# Altium PCB MD070B.PcbDoc (part 2 of 2) (continued)
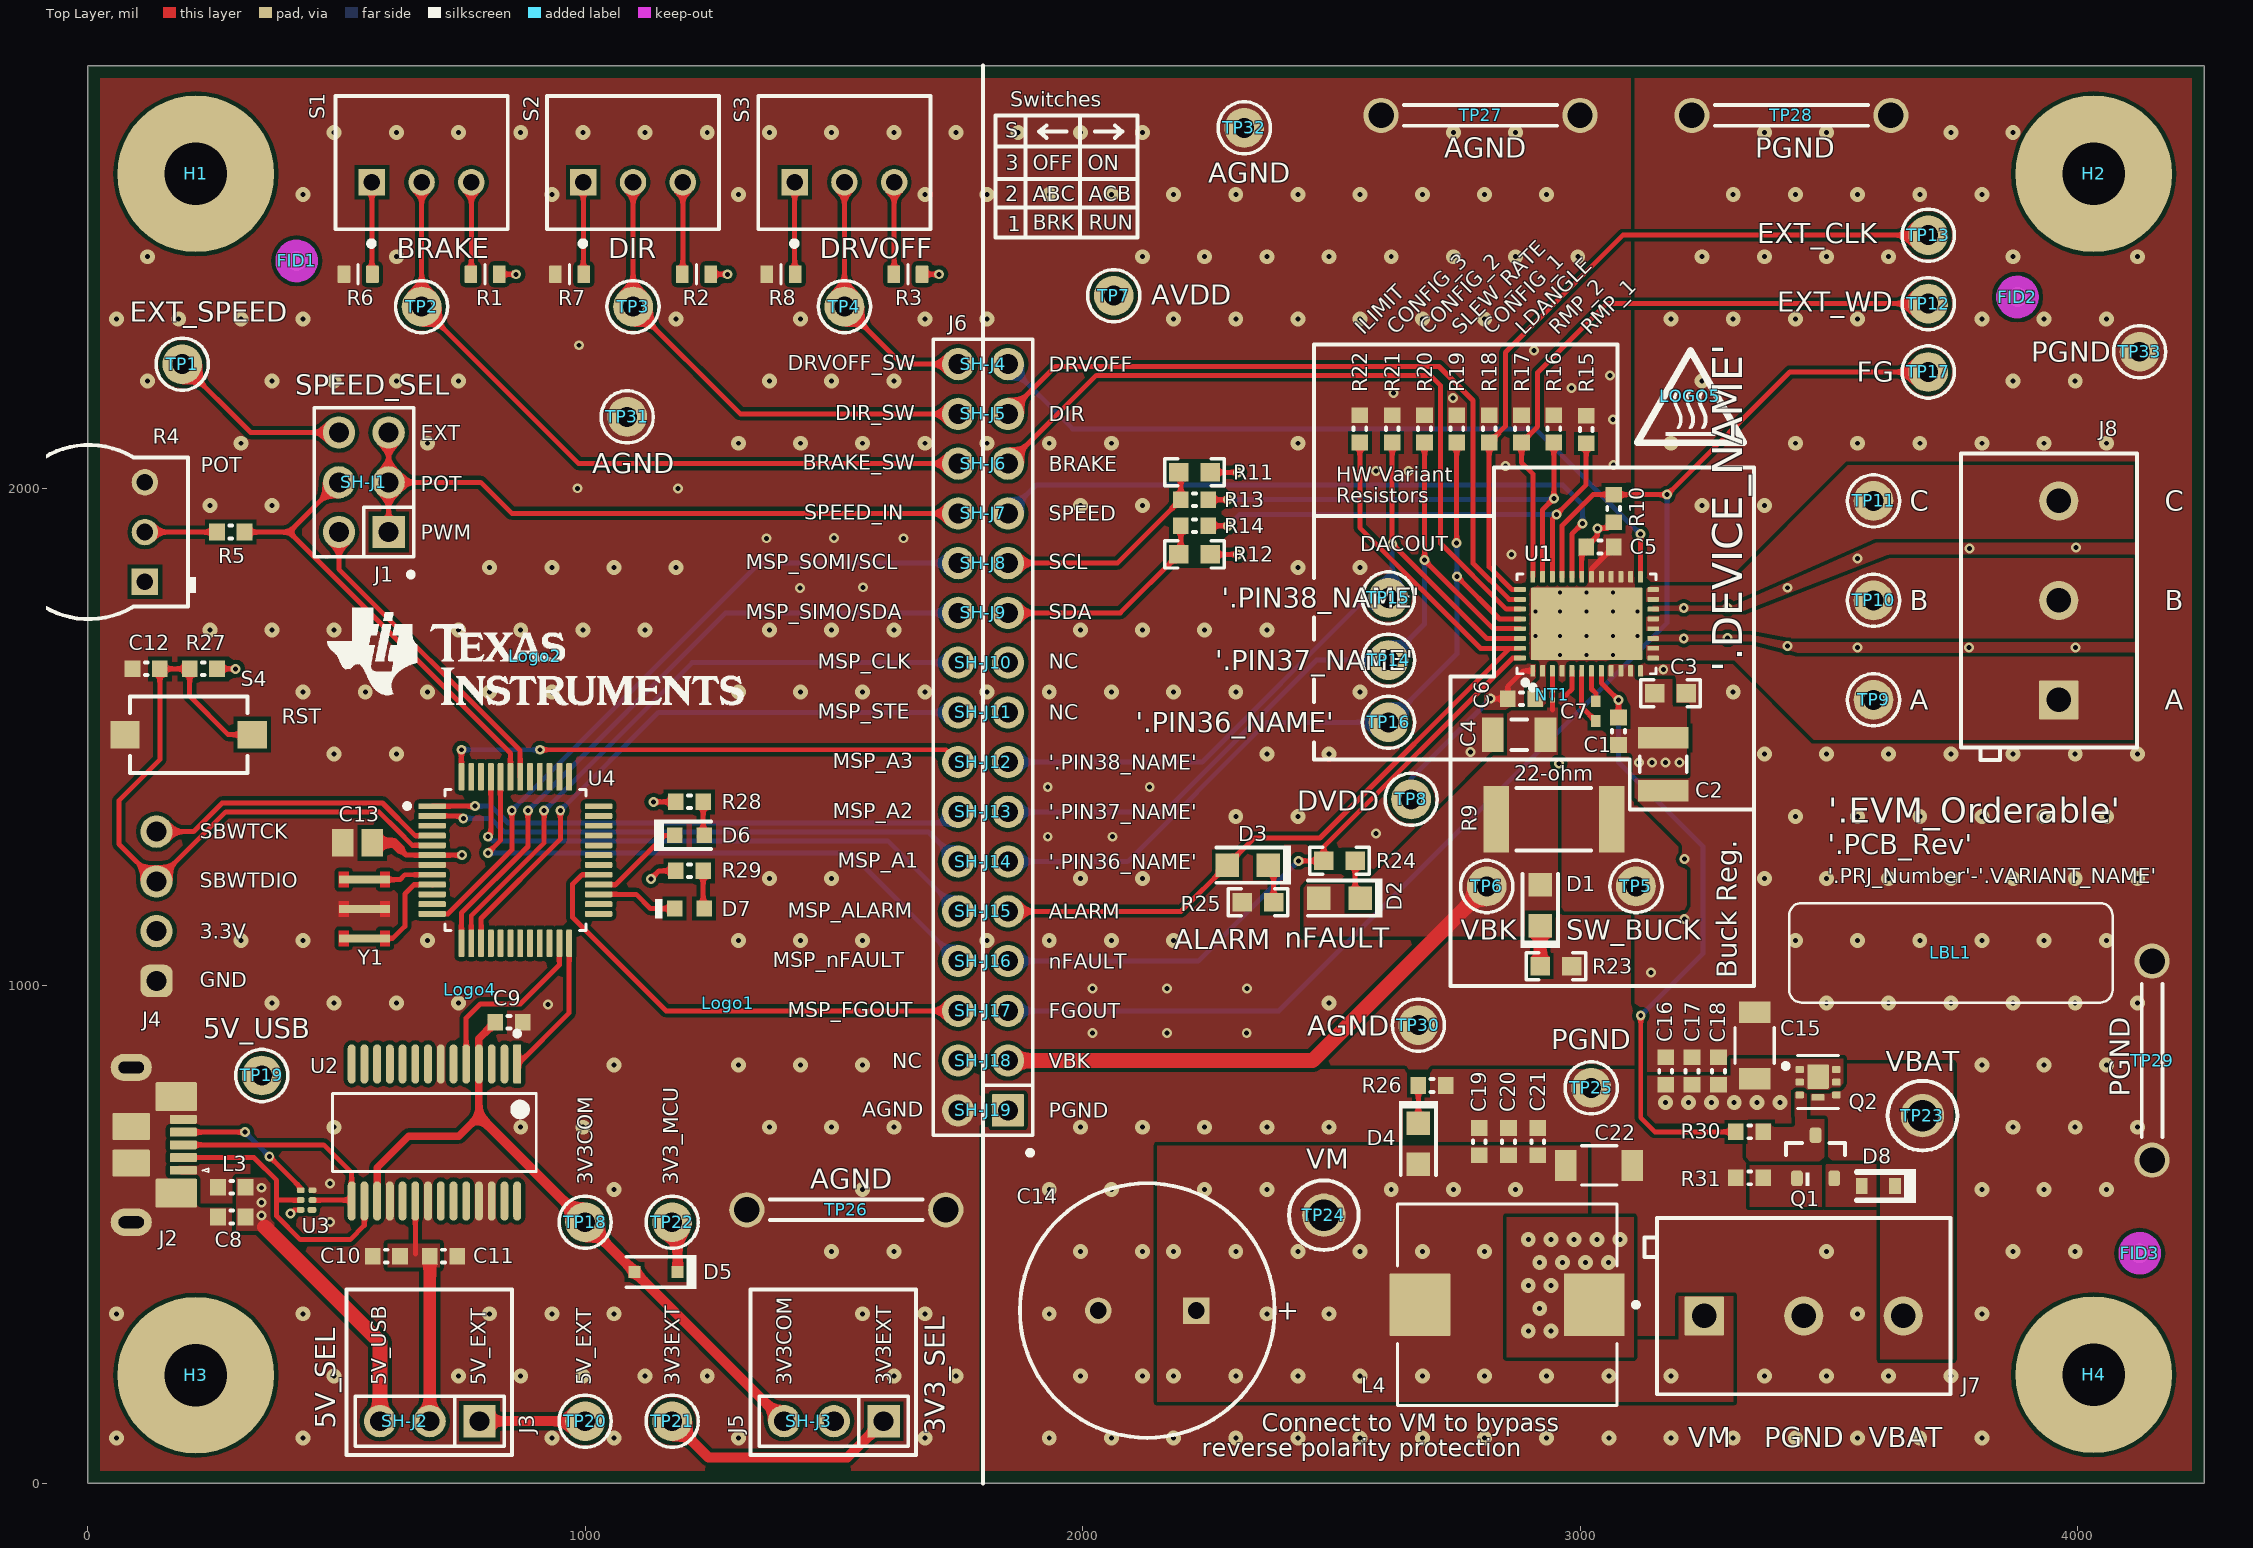
[diagram p0: Top Layer view]
## Polygon pours and split planes (outlines as drawn) (continued)
VBAT on Top Layer "TOP_LAYER_VBAT_P235" (solid, remove dead copper, pour order 235): 3749.99,249.14 3603.46,249.14 3603.46,639.95 3459.35,639.94 3459.34,843.72 3749.99,843.72
NetC15_1 on Top Layer "TOP_LAYER_NETC15_1_P217" (solid, remove dead copper, pour order 217): 3107.8,535.39 2852.5,535.39 2852.5,253.93 3107.8,253.93
VM on Top Layer "TOP_LAYER_VM_P219" (solid, remove dead copper, pour order 219): 3015.96,679.14 2150,679.14 2150,164.14 2888.46,164.14 3308.46,164.14 3308.46,289.14 3308.46,376.64 3198.46,376.64 3198.46,289.14 3015.96,289.14
NetD8_2 on Top Layer "TOP_LAYER_NETD8_2_P213" (solid, remove dead copper, pour order 213): 3595.96,641.64 3487.66,641.64 3485.96,639.94 3485.96,556.64 3595.96,556.64
NetQ1_3 on Top Layer "TOP_LAYER_NETQ1_3_P211" (solid, remove dead copper, pour order 211): 3491.05,639.95 3334.15,639.95 3334.15,728.37 3337.42,731.64 3427.95,731.64 3427.95,792.97 3455.52,792.97 3455.52,733.23 3453.93,731.64 3491.05,731.64
NetC15_1 on Top Layer "TOP_LAYER_NETC15_1_P209" (solid, remove dead copper, pour order 209): 3528.88,791.21 3424.06,791.21 3424.06,735.79 3424.89,734.96 3424.89,724.14 3133.88,724.14 3133.46,723.73 3133.46,819.14 3303.21,819.14 3303.46,819.39 3303.46,854.14 3528.88,854.14
NetQ1_1 on Top Layer "TOP_LAYER_NETQ1_1_P207" (solid, remove dead copper, pour order 207): 3485.96,556.64 3340.96,556.64 3340.96,639.94 3485.96,639.94
NetJ2_1 on Top Layer "TOP_LAYER_NETJ2_1_P205" (solid, remove dead copper, pour order 205): 327.14,563.32 176.94,563.32 177.14,645.59 327.14,645.59
5V_USB on Top Layer "TOP_LAYER_5V_USB_P203" (solid, remove dead copper, pour order 203): 374.78,613.98 299.11,613.98 299.11,508.2 374.78,508.2
AGND on Top Layer "TOP_LAYER_AGND_P247" (solid, remove dead copper, pour order 247): 3110,832.5 1800,832.5 1800,0 0,0 0,2850 3110,2850
PGND on Top Layer "TOP_LAYER_PGND_P245" (solid, remove dead copper, pour order 245): 1800,0 4255,0 4255,2850 3110,2850 3110,832.5 1800,832.5
VM on Power "POWER_VM_P253" (solid, remove dead copper, pour order 253): 2150,200 3300,200 3300,1475 3050,1475 3050,1125 2600,675 2150,675
AVDD on Power "POWER_AVDD_P261" (solid, remove dead copper, pour order 261): 2052.5,2470 2125,2397.5 2125,2275 2425,1975 3075,1975 3075,1887.5 2412.5,1887.5 2350,1825 2275,1825 2275,2000 1880,2395 1000,2395 900,2295 900,2000 675,1775 75,1775 75,1850 625,1850 825,2050 825,2420.3 874.7,2470 1930,2470
AGND on Power "POWER_AGND_P263" (solid, remove dead copper, pour order 263): 0,2850 4255,2850 4255,0 0,0
3V3_MCU on Power "POWER_3V3_MCU_P259" (solid, remove dead copper, pour order 259): 1225,1182.5 1225,537.5 1550,212.5 1550,52.5 1450,52.5 1450,162.5 1125.19,487.31 1125,1125 1075,1175 1057.5,1192.5 372.5,1192.5 235,1055 52.5,1055 52.5,1162.5 200,1162.5 257.5,1220 257.5,1657.5 337.5,1657.5 337.5,1340 1075,1340 1075,1400 1200,1400 1200,1207.5
5V_USB on Power "POWER_5V_USB_P251" (solid, remove dead copper, pour order 251): 437.5,622.5 302.5,622.5 302.5,492.5 437.5,492.5
5V_USB on Bottom Layer "BOTTOM_LAYER_5V_USB_P265" (solid, remove dead copper, pour order 265): 290,490 440,490 440,875 290,875
SW_BUCK on Bottom Layer "BOTTOM_LAYER_SW_BUCK_P269" (solid, remove dead copper, pour order 269): 3100.58,1412.5 3175,1338.08 3175,1100 2960,1100 2960,1412.5
VBK on Bottom Layer "BOTTOM_LAYER_VBK_P267" (solid, remove dead copper, pour order 267): 2871.92,1412.5 2750,1290.58 2750,1100 2960,1100 2960,1412.5
NetC15_1 on Bottom Layer "BOTTOM_LAYER_NETC15_1_P271" (solid, pour order 271): 3133.72,819.39 3133.46,536.64 2852.13,536.64 2852.13,253.69 3170.74,253.69 3170.74,392.5 3425.96,392.5 3425.96,819.39
PGND on Bottom Layer "BOTTOM_LAYER_PGND_P273" (solid, remove dead copper, pour order 273): 1800,0 1800,832.5 3110,832.5 3110,2850 4255,2850 4255,0
AGND on Bottom Layer "BOTTOM_LAYER_AGND_P281" (solid, remove dead copper, pour order 281): 1800,0 1800,832.5 3110,832.5 3110,2850 0,2850 0,0
AGND on Ground "GROUND_AGND_P249" (solid, remove dead copper, pour order 249): 0,2850 4255,2850 4255,0 0,0 0,1695

## Keep-outs
Keep-Out Layer:
  text ".Layer_Name" at 577,-858.49 h60

## Other copper
Top Layer:
  text ".Layer_Name" at 577,-858.49 h60
Bottom Layer:
  text ".Layer_Name" at 577,-858.49 h60

## Silkscreen, mask and mechanical layers (free items; w line width, h text height)
Top Overlay:
  lines w8: 1800,0 1800,2850 ; 1825,2622.5 2110,2622.5 ; 1825,2687.5 2110,2687.5 ; 1826.82,2565.19 2110,2565 ; 1885,2505.38 1885,2749.91 ; 1927.5,2705 1912.5,2717.5 ; 1927.5,2730 1912.5,2717.5 ; 1967.5,2717.5 1912.5,2717.5 ; 1995,2505 1995,2750 ; 2025,2717.5 2080,2717.5 ; 2065,2705 2080,2717.5 ; 2065,2730 2080,2717.5 ; 2465,1489 2465,1455 2747.5,1455 3100,1455 3100,1355 3350,1355 ; 2465,1571 2465,1616 ; 2465,1696 2465,1741 ; 2465,1820 2465,1945 ; 2827.5,1945 2465,1945 ; 2975,2042.5 3350,2042.5 3350,1355 ; 2465,1945 2465,2290 3075,2290 3075,2042.5 2827.5,2042.5 2827.5,1622.5 2740,1622.5 2740,1455 2740,1000 3350,1000 3350,1355 ; 520,57.5 852.5,57.5 852.5,390 520,390 520,57.5 ; 1332.5,57.5 1332.5,390 1665,390 1665,57.5 1332.5,57.5 ; 1825,2505 2110,2505 2110,2750 1825,2750 1825,2505
  text "Switches" at 1855,2767.5 h30
  text "S" at 1845,2705 h30
  text "3" at 1845.12,2640.08 h30
  text "OFF" at 1900,2640.08 h30
  text "ON" at 2010,2640.08 h30
  text "2" at 1845,2577.58 h30
  text "ABC" at 1900,2577.58 h30
  text "ACB" at 2012.5,2577.58 h30
  text "BRK" at 1900,2520 h30
  text "RUN" at 2012.5,2520 h30
  text "1" at 1850,2517.5 h30
  text "BRAKE" at 621.27,2463.2 h40
  text "DIR" at 1046.27,2463.2 h40
  text "DRVOFF" at 1471.27,2463.2 h40
  text "ILIMIT" at 2565,2307.5 h30 r45
  text "CONFIG_3" at 2630,2307.5 h30 r45
  text "CONFIG_2" at 2695,2307.5 h30 r45
  text "SLEW_RATE" at 2760,2307.5 h30 r45
  text "CONFIG_1" at 2822.5,2307.5 h30 r45
  text "LDANGLE" at 2887.5,2307.5 h30 r45
  text "RMP_2" at 2955,2307.5 h30 r45
  text "RMP_1" at 3020,2307.5 h30 r45
  text "DRVOFF_SW" at 1407.5,2237.5 h30
  text "DRVOFF" at 1932.5,2235 h30
  text "SPEED_SEL" at 417.5,2188.5 h40
  text "DIR_SW" at 1502.5,2137.5 h30
  text "DIR" at 1932.5,2135 h30
  text "EXT" at 670,2097.5 h30
  text "BRAKE_SW" at 1437.5,2037.5 h30
  text "BRAKE" at 1932.5,2035 h30
  text "POT" at 227.5,2032.5 h30
  text "HW Variant" at 2510,2013.5 h30
  text "POT" at 670,1995 h30
  text "Resistors" at 2510,1971 h30
  text "C" at 3662.5,1955 h40
  text "C" at 4175,1955 h40
  text "SPEED_IN" at 1440,1937.5 h30
  text "SPEED" at 1932.5,1935 h30
  text "PWM" at 670,1897.5 h30
  text "DACOUT" at 2558.5,1874 h30
  text "MSP_SOMI/SCL" at 1322.5,1837.5 h30
  text "SCL" at 1932.5,1837.44 h30
  text "'.PIN38_NAME'" at 2279.75,1760.01 h40
  text "B" at 3662.5,1755 h40
  text "B" at 4175,1755 h40
  text "MSP_SIMO/SDA" at 1322.5,1737.5 h30
  text "SDA" at 1932.5,1737.69 h30
  text "MSP_CLK" at 1467.5,1637.5 h30
  text "NC" at 1932.5,1637.5 h30
  text "'.PIN37_NAME'" at 2266.42,1634.51 h40
  text "'.DEVICE_NAME'" at 3326.12,1630.86 h60 r90
  text "A" at 3662.5,1555 h40
  text "A" at 4175,1555 h40
  text "MSP_STE" at 1467.5,1537.5 h30
  text "NC" at 1932.5,1535 h30
  text "RST" at 390,1527.5 h30
  text "'.PIN36_NAME'" at 2106.47,1510.01 h40
  text "MSP_A3" at 1497.5,1437.5 h30
  text "'.PIN38_NAME'" at 1932.5,1435 h30
  text "22-ohm" at 2867.5,1412.5 h30
  text "MSP_A2" at 1497.5,1337.5 h30
  text "'.PIN37_NAME'" at 1932.5,1335 h30
  text "'.EVM_Orderable'" at 3499.08,1328.36 h50
  text "SBWTCK" at 225,1296.06 h30
  text "'.PCB_Rev'" at 3498.47,1264.64 h40
  text "MSP_A1" at 1507.5,1237.5 h30
  text "'.PIN36_NAME'" at 1932.5,1235 h30
  text "'.PRJ_Number'-'.VARIANT_NAME'" at 3498.47,1206.25 h30
  text "SBWTDIO" at 225,1197.5 h30
  text "MSP_ALARM" at 1407.5,1137.5 h30
  text "ALARM" at 1932.5,1135 h30
  text "3.3V" at 225,1095 h30
  text "nFAULT" at 2406.66,1076.5 h40
  text "ALARM" at 2184.04,1073.6 h40
  text "MSP_nFAULT" at 1377.5,1037.5 h30
  text "nFAULT" at 1932.5,1035 h30
  text "Buck Reg." at 3315,1015 h40 r90
  text "GND" at 225,997.5 h30
  text "MSP_FGOUT" at 1407.5,937.5 h30
  text "FGOUT" at 1932.5,935 h30
  text "NC" at 1617.5,835 h30
  text "VBK" at 1932.5,835 h30
  text "AGND" at 1557.5,737.5 h30
  text "PGND" at 1932.5,735 h30
  text "3V3COM" at 1015,600 h30 r90
  text "3V3_MCU" at 1187.5,600 h30 r90
  text "5V_USB" at 600,197.5 h30 r90
  text "5V_EXT" at 800,197.5 h30 r90
  text "5V_EXT" at 1012.5,197.5 h30 r90
  text "3V3EXT" at 1190,197.5 h30 r90
  text "3V3COM" at 1415,197.5 h30 r90
  text "3V3EXT" at 1615,197.5 h30 r90
  text "5V_SEL" at 497.5,110 h40 r90
  text "Connect to VM to bypass" at 2360,105 h35
  text "3V3_SEL" at 1722.5,97.5 h40 r90
  text "VM" at 3217.5,72.5 h40
  text "PGND" at 3370,72.5 h40
  text "VBAT" at 3580,72.5 h40
  text "reverse polarity protection" at 2240,55 h35
  text ".Layer_Name" at 577,-858.49 h30
Bottom Overlay:
  lines w8: 2747.5,1050 3175,1050 3175,1455 2747.5,1455 2747.5,1050
  text "C" at 3690,1955 h40
  text "C" at 4075,1955 h40
  text "B" at 3690,1755 h40
  text "B" at 4075,1755 h40
  text "A" at 3690,1555 h40
  text "A" at 4075,1555 h40
  text "Populate only L1, L2, or" at 3447,1536 h30
  text "R9 (top) for Buck Regulator" at 3447,1478.5 h30
  text "47uH" at 3017.5,1410 h30
  text "Buck Reg." at 3210,1085 h40 r270
  text "22uH" at 3017.5,1067.5 h30
  text "VM" at 3285,220 h40
  text "PGND" at 3517.5,220 h40
  text "VBAT" at 3722.5,220 h40
  text ".Layer_Name" at 577,-858.49 h60
Top Paste:
  text ".Layer_Name" at 577,-858.49 h60
Bottom Paste:
  text ".Layer_Name" at 577,-858.49 h60
Top Solder:
  text ".Layer_Name" at 577,-858.49 h60
  text ".Layer_Name" at 577,-858.49 h60
Bottom Solder:
  text ".Layer_Name" at 577,-858.49 h60
Drill Guide:
  text ".Layer_Name" at 577,-858.49 h60
M1 Board Outline:
  the board outline again, w10
  text ".Layer_Name" at 577,-858.49 h60
M2 Board Dimensions:
  rectangle: 0,-275 125,-150
  rectangle: 125,-400 500,-275
  lines w7: 0,-275 1000,-275 ; 125,-400 125,-150 ; 250,-400 250,-150 ; 500,-400 500,-150 ; 750,-400 750,-150 ; 0,-400 1000,-400 1000,-150 0,-150 0,-400
  text ".Layer_Name" at 577,-858.49 h60
M3 3D STEP Top:
  text ".Layer_Name" at 577,-858.49 h60
M4 3D STEP Bottom:
  text ".Layer_Name" at 577,-858.49 h60
M5 Assembly Top:
  lines w10: -292,-930.17 6308,-930.17 ; -292,-726.83 6310,-726.83 ; -292,-523.5 -292,-1133.5 3713,-1133.5 6310,-1133.5 6310,-523.5 -291.5,-523.5 -291.5,-1133.5 1284,-1133.5 ; 2173,-1133.5 2173,-523.5 ; 3440,-726.83 3440,-523.5 ; 4280,-726.83 4280,-523.5 ; 4902,-1140 4902,-937.17
  text "COMPONENTS MARKED 'DNP' SHOULD NOT BE POPULATED." at 1153.5,-318.5 h60
  text "ASSEMBLY VARIANT:" at 1153,-434 h60
  text ".VariantName" at 2189,-434 h60
  text "PCB VIEWED FROM TOP SIDE" at -228.5,-655.67 h60
  text "BOARD #:" at 2248,-655.67 h60
  text ".PRJ_Number" at 2793.5,-655.67 h60
  text "REV:" at 3638,-655.67 h60
  text ".PCB_Rev" at 3929.5,-655.67 h60
  text "SVN REV:" at 4476,-655.67 h60
  text ".VersionControl_RevNumber" at 4982,-655.67 h60
  text "TID #:" at 2248,-859 h60
  text ".TID" at 2793.5,-859 h60
  text "PLOT NAME =" at -228.5,-1064.34 h60
  text ".plot_File_Name" at 577,-1064.34 h60
  text "GENERATED    :" at 2250,-1064.34 h60
  text ".Print_Date" at 3119.5,-1064.34 h60
  text ".Print_Time" at 3848.5,-1064.34 h60
  text "TEXAS INSTRUMENTS" at 5113,-1064.34 h60
M6 Assembly Bottom:
  lines w10: -292.5,-727.33 6309.5,-727.33 ; -290.5,-930.67 6309.5,-930.67 ; 1115.5,-1140.5 1115.5,-937.67 ; 1737.5,-727.33 1737.5,-524 ; 2577.5,-727.33 2577.5,-524 ; 3844.5,-1134 3844.5,-524 ; 4733.5,-1134 6309,-1134 6309,-524 -292.5,-524 -292.5,-1134 2304.5,-1134 6309.5,-1134 6309.5,-524
  text "COMPONENTS MARKED 'DNP' SHOULD NOT BE POPULATED." at 6102,-318 h60
  text ".VariantName" at 5058,-434 h60
  text "ASSEMBLY VARIANT:" at 6097,-434 h60
  text ".VersionControl_RevNumber" at 1035.5,-656.17 h60
  text "SVN REV:" at 1541.5,-656.17 h60
  text ".PCB_Rev" at 2088,-656.17 h60
  text "REV:" at 2379.5,-656.17 h60
  text ".PRJ_Number" at 3224,-656.17 h60
  text "BOARD #:" at 3769.5,-656.17 h60
  text "PCB VIEWED FROM BOTTOM SIDE" at 6246,-656.17 h60
  text ".TID" at 3224,-859.5 h60
  text "TID #:" at 3769.5,-859.5 h60
  text "TEXAS INSTRUMENTS" at 904.5,-1064.84 h60
  text ".Print_Time" at 2169,-1064.84 h60
  text ".Print_Date" at 2898,-1064.84 h60
  text "GENERATED    :" at 3767.5,-1064.84 h60
  text ".plot_File_Name" at 5440.5,-1064.84 h60
  text "PLOT NAME =" at 6246,-1064.84 h60
M9 Title Sheet:
  drawing of 57 lines, arcs and shapes, not listed
  text "1" at 739.84,8036.5 h70
  text "2" at 3235.5,8036.5 h70
  text "3" at 5724.84,8036.5 h70
  text "4" at 8231.51,8036.5 h70
  text "5" at 10730.5,8036.5 h70
  text "6" at 13235.5,8036.5 h70
  text "A" at -416.5,6893.5 h70
  text "A" at 14383.5,6893.5 h70
  text "B" at -416.5,4513.5 h70
  text "B" at 14383.5,4513.5 h70
  text "C" at -416.5,2138.5 h70
  text "C" at 14383.5,2138.5 h70
  text "PROJECT TITLE:" at 11343.5,277.5 h45
  text ".PRJ_Title" at 11393.5,144.17 h70
  text "DESIGNED FOR:" at 11343.5,-23.5 h45
  text ".PRJ_Customer" at 11393.5,-163.5 h70
  text "D" at -416.5,-231.5 h70
  text "D" at 14383.5,-231.5 h70
  text "FILE NAME:" at 11343.5,-323.5 h45
  text ".PCB_File_Name_No_Path" at 11393.5,-443.5 h70
  text "Texas Instruments (TI) and/or its licensors do not warrant the accuracy or completeness of this specification" at 6374,-605.34 h45
  text "ENGINEER:" at 11343.5,-613.5 h45
  text "LAYOUT BY:" at 12848.5,-613.5 h45
  text "or any information contained therein. TI and/or its licensors do not warrant that this design will meet" at 6329.01,-718 h45
  text ".PRJ_Engineer" at 11393.5,-768.49 h70
  text ".PCB_Layout" at 12899,-768.49 h70
  text "the specifications, will be suitable for your application or fit for any particular purpose, or will operate in" at 6329.01,-830.67 h45
  text ".Layer_Name" at 577,-858.49 h60
  text "ALTIUM DESIGNER VERSION:" at 12848.5,-923.5 h45
  text "an implementation. TI and/or its licensors do not warrant that the design is production worthy. You should" at 6329.01,-943.33 h45
  text "completely validate and test your design implementation to confirm the system functionality for your application." at 6374,-1056 h45
  text ".print_Scale" at 11393.5,-1056.83 h70
  text ".Application_BuildNumber" at 12899,-1056.83 h70
  text "1" at 739.84,-1263.5 h70
  text "2" at 3235.5,-1263.5 h70
  text "3" at 5724.84,-1263.5 h70
  text "4" at 8231.51,-1263.5 h70
  text "5" at 10730.5,-1263.5 h70
  text "6" at 13235.5,-1263.5 h70
M10 Fab Notes:
  drawing of 189 lines, arcs and shapes, not listed
  text "DESIGN INFORMATION" at 12382.02,6356.17 h60
  text "MIN. TRACK WIDTH:" at 11737.46,6224.05 h60
  text "10" at 12833.7,6224.05 h60
  text "MIL" at 12988.46,6224.05 h60
  text "MIN. CLEARANCE:" at 11737.46,6099.92 h60
  text "0.2" at 12773.7,6099.93 h60
  text "mm" at 12988.46,6099.92 h60
  text "MIN. VIA PAD SIZE:" at 11737.46,5975.8 h60
  text "20" at 12803.71,5975.8 h60
  text "MIL" at 12988.46,5975.8 h60
  text "0.05mm (2MIL)" at 12432.46,5845.9 h60
  text "MINIMUM ANNULAR RING" at 11408.23,5837.67 h60
  text "EXTERNAL" at 13140.46,5837.67 h60
  text "PER" at 11608.23,5727.55 h60
  text "IPC-D-275 CLASS 2 LEVEL C" at 11828.23,5727.54 h60
  text "MIL, HOLES" at 13316.46,5627.07 h60
  text "+/-" at 12924,5618.48 h60
  text "+/-" at 13778,5618.48 h60
  text "REGISTRATION TOLERANCES:" at 11408.23,5617.42 h60
  text "METAL" at 12608,5617.42 h60
  text "5" at 13184.2,5617.42 h60
  text "3" at 14017.2,5617.42 h60
  text "MIL" at 14133.46,5617.42 h60
  text "HOLE SIZE TOLERANCE (UNLESS OTHERWISE SPECIFIED):" at 11408.23,5519.1 h60
  text "+/-" at 13778,5516.23 h60
  text "3" at 14017.2,5515.17 h60
  text "MIL" at 14133.46,5515.17 h60
  text "MATERIAL:" at 11333.46,5377.52 h60
  text "FR-4 High Tg" at 12319.9,5249 h60
  text "X" at 12175.46,5241.01 h60
  text "FR-408" at 11754.46,5236.49 h60
  text "OTHER" at 13242.46,5236.49 h60
  text "62 MIL (1.6mm) +/-10%" at 12074.56,5093.46 h60
  text "X" at 11954.46,5091.01 h60
  text "THICKNESS:" at 11408.23,5085.24 h60
  text "OTHER" at 13359.46,5085.24 h60
  text "TOLERANCE:" at 11408.23,4946.92 h60
  text "X" at 12256.46,4946.92 h60
  text "ANSI IPC-6012 TYPE 3 CLASS 2" at 12434.48,4946.92 h60
  text "OTHER +/-" at 12434.46,4802.73 h60
  text "BOW & TWIST:" at 11408.23,4657.54 h60
  text "X" at 12256.46,4657.54 h60
  text "ANSI IPC-6012 TYPE 3 CLASS 2" at 12434.48,4657.54 h60
  text "OTHER +/-" at 12434.46,4510.85 h60
  text "DRILLING:" at 11333.46,4380.23 h60
  text "NC_DRILL FILES" at 13094.46,4275.04 h60
  text "REFERENCE:" at 11408.23,4271.1 h60
  text "X" at 12065.46,4271.01 h60
  text "AS SHOWN" at 12243.46,4271.1 h60
  text "X" at 12966.46,4271.1 h60
  text "OTHER" at 13392.46,4128.85 h60
  text "PTH COPPER THICKNESS:" at 11407.91,4125.32 h60
  text "X" at 12547.14,4125.32 h60
  text "20-30 um" at 12675.14,4125.32 h60
  text "BOARD FINISH:" at 11333.46,3977.73 h60
  text "SILKSCREEN:" at 11488.68,3867.6 h60
  text "X" at 12446.46,3867.6 h60
  text "TOP" at 12563.46,3867.6 h60
  text "X" at 12956.46,3867.6 h60
  text "BOTTOM" at 13074.46,3867.6 h60
  text "SILKSCREEN COLOR:" at 11488.68,3712.41 h60
  text "X" at 12445.46,3712.41 h60
  text "WHITE" at 12563.46,3712.41 h60
  text "OTHER" at 13074.46,3712.41 h60
  text "X" at 12576.46,3568.96 h60
  text "GREEN" at 12694.46,3568.96 h60
  text "OTHER" at 13312.46,3568.96 h60
  text "SOLDER RESIST COLOR:" at 11488.68,3562.1 h60
  text "X" at 12576.46,3414.71 h60
  text "MATTE" at 12694.46,3414.71 h60
  text "SEMI-GLOSS" at 13312,3414.07 h60
  text "IMMERSION GOLD (ENIG)" at 12394.46,3241.94 h60
  text "ENEPIG" at 13732,3234.72 h60
  text "SURFACE FINISH:" at 11333.46,3233.72 h60
  text "X" at 12216.46,3233.72 h60
  text "IMM. TIN/SILVER OR EQUIV" at 11663,3096.4 h60
  text "OTHER" at 13094.46,3092.47 h60
  text "ARRAY/PANEL:" at 11333.46,2937.09 h60
  text "CUT AND TRIM PER M1 BOARD OUTLINE" at 12394.46,2928.87 h60
  text "N.C. ROUTE" at 12394.46,2792.9 h60
  text "X" at 13082.46,2792.9 h60
  text "V. SCORE" at 13260.46,2792.9 h60
  text "CERTIFICATION:" at 11333.46,2663.77 h60
  text "MATERIALS AND WORKMANSHIP FOR ALL PCBS" at 12058.46,2663.77 h60
  text "TO MEET OR EXCEED THE REQUIREMENTS OF:" at 12058.46,2569.71 h60
  text "X" at 11695.97,2441.08 h60
  text "ANSI IPC-A-600F CLASS ->" at 11823.96,2441.08 h60
  text "X" at 13471.97,2441.08 h60
  text "2" at 13581.96,2441.08 h60
  text "1" at 13266.96,2439.58 h60
  text "3" at 13935.96,2439.58 h60
  text "X" at 12507.97,2293.39 h60
  text "RoHS" at 12635.96,2293.39 h60
  text "OTHER" at 13280.36,2293.39 h60
  text "PER ORDER" at 13677.42,2293.39 h60
  text "ALL BOARDS MUST MEET OR EXCEED UL94-V0 REQUIREMENTS." at 11361,2139.57 h60
  text "PCB MUST BEAR THE UL94V-0 UL REGISTERED MATERIAL ID NUMBER" at 11361,2023.5 h60
  text "ADDITIONAL REQUIREMENTS:" at 11333.46,1854.08 h60
  text "MICROSECTION:" at 11408.23,1746.95 h60
  text "YES" at 12313.96,1746.95 h60
  text "REQUIRED" at 13175.46,1602.62 h60
  text "BARE BOARD ELEC. TEST:" at 11408.23,1599.76 h60
  text "NONE" at 12713.96,1599.76 h60
  text "X" at 13057.46,1599.76 h60
  text "PER ORDER" at 13767.46,1599.76 h60
  text "XX MIL VIAS REQUIRE NON-CONDUCTIVE FILL AND PLANARIZE" at 11576.38,1394.82 h59
  text "XX MIL VIAS REQUIRE CONDUCTIVE FILL AND PLANARIZE" at 11584.38,1290.84 h60
  text "OUTER XX MIL TRACES REQUIRE 50 OHM SINGLE-ENDED IMPEDANCE" at 11583.39,1127.46 h58
  text "LAYER 2 & 3 (INNER LAYERS) XX MIL WIDE, XX MIL SPACE / TRACES REQUIRE 100 OHM DIFFERENTIAL IMPEDANCE" at 11575.39,891.74 h60
  text ".Layer_Name" at 577,-858.49 h60
M11 Gerber Information:
  lines w10: -292,-930.17 6308,-930.17 ; -292,-726.83 6310,-726.83 ; -292,-523.5 -292,-1133.5 3713,-1133.5 6310,-1133.5 6310,-523.5 -291.5,-523.5 -291.5,-1133.5 1284,-1133.5 ; 2173,-1133.5 2173,-523.5 ; 3440,-726.83 3440,-523.5 ; 4280,-726.83 4280,-523.5 ; 4902,-1140 4902,-937.17
  text "ALL ARTWORK VIEWED FROM TOP SIDE" at -228.5,-655.67 h60
  text "BOARD #:" at 2248,-655.67 h60
  text ".PRJ_Number" at 2793.5,-655.67 h60
  text "REV:" at 3638,-655.67 h60
  text ".PCB_Rev" at 3929.5,-655.67 h60
  text "SVN REV:" at 4476,-655.67 h60
  text ".VersionControl_RevNumber" at 4982,-655.67 h60
  text "LAYER NAME =" at -228.5,-858.49 h60
  text "TID #:" at 2248,-859 h60
  text ".TID" at 2793.5,-859 h60
  text "PLOT NAME =" at -228.5,-1064.34 h60
  text ".plot_File_Name" at 577,-1064.34 h60
  text "GENERATED    :" at 2250,-1064.34 h60
  text ".Print_Date" at 3119.5,-1064.34 h60
  text ".Print_Time" at 3848.5,-1064.34 h60
  text "TEXAS INSTRUMENTS" at 5113,-1064.34 h60
M12 Stackup:
  drawing of 295 lines, arcs and shapes, not listed
  text "Layer" at 5375,5912.5 h60
  text "Name" at 5784.91,5912.5 h60
  text "Material" at 6714.66,5912.5 h60
  text "Thickness" at 7574.42,5912.5 h60
  text "Constant" at 8224.26,5912.5 h60
  text "Board Layer Stack" at 8794.12,5912.5 h60
  text "Top Overlay" at 5784.91,5792.5 h60
  text "Top Solder" at 5784.91,5672.5 h60
  text "Solder Resist" at 6714.66,5672.5 h60
  text "0.40mil" at 7574.42,5672.5 h60
  text "3.5" at 8224.26,5672.5 h60
  text "1" at 5375,5552.5 h60
  text "Top Layer" at 5784.91,5552.5 h60
  text "1.40mil" at 7574.42,5552.5 h60
  text "Dielectric 1" at 5784.91,5432.5 h60
  text "FR-4" at 6714.66,5432.5 h60
  text "8.00mil" at 7574.42,5432.5 h60
  text "4.2" at 8224.26,5432.5 h60
  text "2" at 5375,5312.5 h60
  text "Ground" at 5784.91,5312.5 h60
  text "1.40mil" at 7574.42,5312.5 h60
  text "Dielectric 2" at 5784.91,5192.5 h60
  text "FR-4" at 6714.66,5192.5 h60
  text "40.00mil" at 7574.42,5192.5 h60
  text "4.2" at 8224.26,5192.5 h60
  text "3" at 5375,5072.5 h60
  text "Power" at 5784.91,5072.5 h60
  text "1.40mil" at 7574.42,5072.5 h60
  text "Dielectric 3" at 5784.91,4952.5 h60
  text "FR-4" at 6714.66,4952.5 h60
  text "8.00mil" at 7574.42,4952.5 h60
  text "4.2" at 8224.26,4952.5 h60
  text "4" at 5375,4832.5 h60
  text "Bottom Layer" at 5784.91,4832.5 h60
  text "1.40mil" at 7574.42,4832.5 h60
  text "Bottom Solder" at 5784.91,4712.5 h60
  text "Solder Resist" at 6714.66,4712.5 h60
  text "0.40mil" at 7574.42,4712.5 h60
  text "3.5" at 8224.26,4712.5 h60
  text "Bottom Overlay" at 5784.91,4592.5 h60
  text ".Layer_Name" at 577,-858.49 h60
M13 Component Bodies Top:
  text ".Layer_Name" at 577,-858.49 h60
M14 Component Bodies Bottom:
  text ".Layer_Name" at 577,-858.49 h60
M15 Courtyards Top:
  text ".Layer_Name" at 577,-858.49 h60
M16 Courtyards Bottom:
  text ".Layer_Name" at 577,-858.49 h60
Drill Drawing:
  circle w10: c5363.72,3541.29 r16.58
  circle w10: c5363.72,3541.29 r27.63
  circle w10: c5363.72,3416.97 r27.63
  lines w10: 5336.09,3044.01 5363.72,3016.39 5391.34,3044.01 5363.72,3071.64 5336.09,3044.01 ; 5336.09,3154.52 5349.9,3154.52 5349.9,3140.71 5377.53,3140.71 5377.53,3154.52 5391.34,3154.52 5391.34,3182.15 5377.53,3182.15 5377.53,3195.96 5349.9,3195.96 5349.9,3182.15 5336.09,3182.15 5336.09,3154.52 ; 5336.09,3265.03 5391.34,3265.03 5391.34,3320.28 5336.09,3320.28 5336.09,3265.03 ; 5336.09,3651.8 5349.9,3651.8 5363.72,3637.99 5377.53,3651.8 5391.34,3651.8 5377.53,3665.61 5391.34,3679.43 5377.53,3679.43 5363.72,3693.24 5349.9,3679.43 5336.09,3679.43 5349.9,3665.61 5336.09,3651.8 ; 5336.09,3817.56 5391.34,3817.56 5363.72,3762.31 5336.09,3817.56 ; 5336.09,3886.63 5363.72,3900.44 5391.34,3886.63 5377.53,3914.25 5391.34,3941.88 5363.72,3928.07 5336.09,3941.88 5349.9,3914.25 5336.09,3886.63 ; 5336.09,4010.95 5336.09,4024.76 5349.9,4038.57 5336.09,4052.39 5336.09,4066.2 5349.9,4066.2 5363.72,4052.39 5377.53,4066.2 5391.34,4066.2 5391.34,4052.39 5377.53,4038.57 5391.34,4024.76 5391.34,4010.95 5377.53,4010.95 5363.72,4024.76 5349.9,4010.95 5336.09,4010.95
  lines w12: 5286,2979.09 8517.49,2979.09 ; 5286,4097.97 8517.49,4097.97 ; 5623.86,2854.77 5623.86,4222.29 ; 5955.86,2854.77 5955.86,4222.29 ; 6592.43,2854.77 6592.43,4222.29 ; 6851.57,2854.77 6851.57,4222.29 ; 7226.72,2854.77 7226.72,4222.29 ; 7951.05,2854.77 7951.05,4222.29 ; 5286,2854.77 8517.49,2854.77 8517.49,4222.29 5286,4222.29 5286,2854.77
  text "Symbol" at 5360.59,4135.27 h72
  text "Quantity" at 5661.16,4135.27 h72
  text "Finished Hole Size" at 5993.16,4135.27 h72
  text "Plated" at 6629.72,4135.27 h72
  text "Hole Type" at 6888.86,4135.27 h72
  text "Drill Layer Pair" at 7264.02,4135.27 h72
  text "Hole Tolerance" at 7988.35,4135.27 h72
  text "16" at 5661.16,4010.95 h60
  text "7.87mil (0.200mm)" at 5993.16,4010.95 h60
  text "PTH" at 6629.72,4010.95 h60
  text "Round" at 6888.86,4010.95 h60
  text "Top Layer - Bottom Layer" at 7264.02,4010.95 h60
  text "422" at 5661.16,3886.63 h60
  text "10.00mil (0.254mm)" at 5993.16,3886.63 h60
  text "PTH" at 6629.72,3886.63 h60
  text "Round" at 6888.86,3886.63 h60
  text "Top Layer - Bottom Layer" at 7264.02,3886.63 h60
  text "14" at 5661.16,3762.31 h60
  text "33.47mil (0.850mm)" at 5993.16,3762.31 h60
  text "PTH" at 6629.72,3762.31 h60
  text "Round" at 6888.86,3762.31 h60
  text "Top Layer - Bottom Layer" at 7264.02,3762.31 h60
  text "75" at 5661.16,3637.99 h60
  text "40.00mil (1.016mm)" at 5993.16,3637.99 h60
  text "PTH" at 6629.72,3637.99 h60
  text "Round" at 6888.86,3637.99 h60
  text "Top Layer - Bottom Layer" at 7264.02,3637.99 h60
  text "6" at 5661.16,3513.67 h60
  text "49.21mil (1.250mm)" at 5993.16,3513.67 h60
  text "PTH" at 6629.72,3513.67 h60
  text "Round" at 6888.86,3513.67 h60
  text "Top Layer - Bottom Layer" at 7264.02,3513.67 h60
  text "8" at 5661.16,3389.35 h60
  text "51.18mil (1.300mm)" at 5993.16,3389.35 h60
  text "PTH" at 6629.72,3389.35 h60
  text "Round" at 6888.86,3389.35 h60
  text "Top Layer - Bottom Layer" at 7264.02,3389.35 h60
  text "2" at 5661.16,3265.03 h60
  text "63.00mil (1.600mm)" at 5993.16,3265.03 h60
  text "PTH" at 6629.72,3265.03 h60
  text "Round" at 6888.86,3265.03 h60
  text "Top Layer - Bottom Layer" at 7264.02,3265.03 h60
  text "4" at 5661.16,3140.71 h60
  text "125.98mil (3.200mm)" at 5993.16,3140.71 h60
  text "PTH" at 6629.72,3140.71 h60
  text "Round" at 6888.86,3140.71 h60
  text "Top Layer - Bottom Layer" at 7264.02,3140.71 h60
  text "2" at 5661.16,3016.39 h60
  text "23.62mil (0.600mm)" at 5993.16,3016.39 h60
  text "PTH" at 6629.72,3016.39 h60
  text "Slot" at 6888.86,3016.39 h60
  text "Top Layer - Bottom Layer" at 7264.02,3016.39 h60
  text "549 Total" at 5661.16,2892.07 h60
  text "Slot definitions :" at 5360.59,2805.04 h60
  text "Routed Path Length" at 5811.31,2805.04 h60
  text "= Calculated from tool start centre position to tool end centre position." at 6351.05,2805.04 h60
  text "Hole Length" at 5811.31,2755.32 h60
  text "= Routed Path Length + Tool Size = Slot length as defined in the PCB layout" at 6151.24,2755.32 h60
  text ".Layer_Name" at 577,-858.49 h60
Mechanical 17:
  text ".Layer_Name" at 577,-858.49 h60
Mechanical 18:
  text ".Layer_Name" at 577,-858.49 h60
Mechanical 19:
  text ".Layer_Name" at 577,-858.49 h60

## Dimensions
0,2850 to 4255,0 on M2 Board Dimensions
4255,0 to 0,2850 on M2 Board Dimensions
0,-400 to 1000,-400 on M2 Board Dimensions

## Text inside footprints (layer, text, board x,y; h text height)
C14: Top Overlay "+" at 2435.31,363.25 h40 r180; M5 Assembly Top "+" at 2435.31,363.25 h40 r180
Logo3: Bottom Overlay "For evaluation only; not FCC approved for resale." at 1635,667.5 h60
ZZ1: M5 Assembly Top "Install label in silkscreened box after final wash.  Text shall be 8 pt font.  Text shall be per the Label Table in the PDF schematic." at 125,3435.5 h40